# Altium PCB sugar65V2_ARGB_QMK(1).PcbDoc (part 7 of 8) (continued)
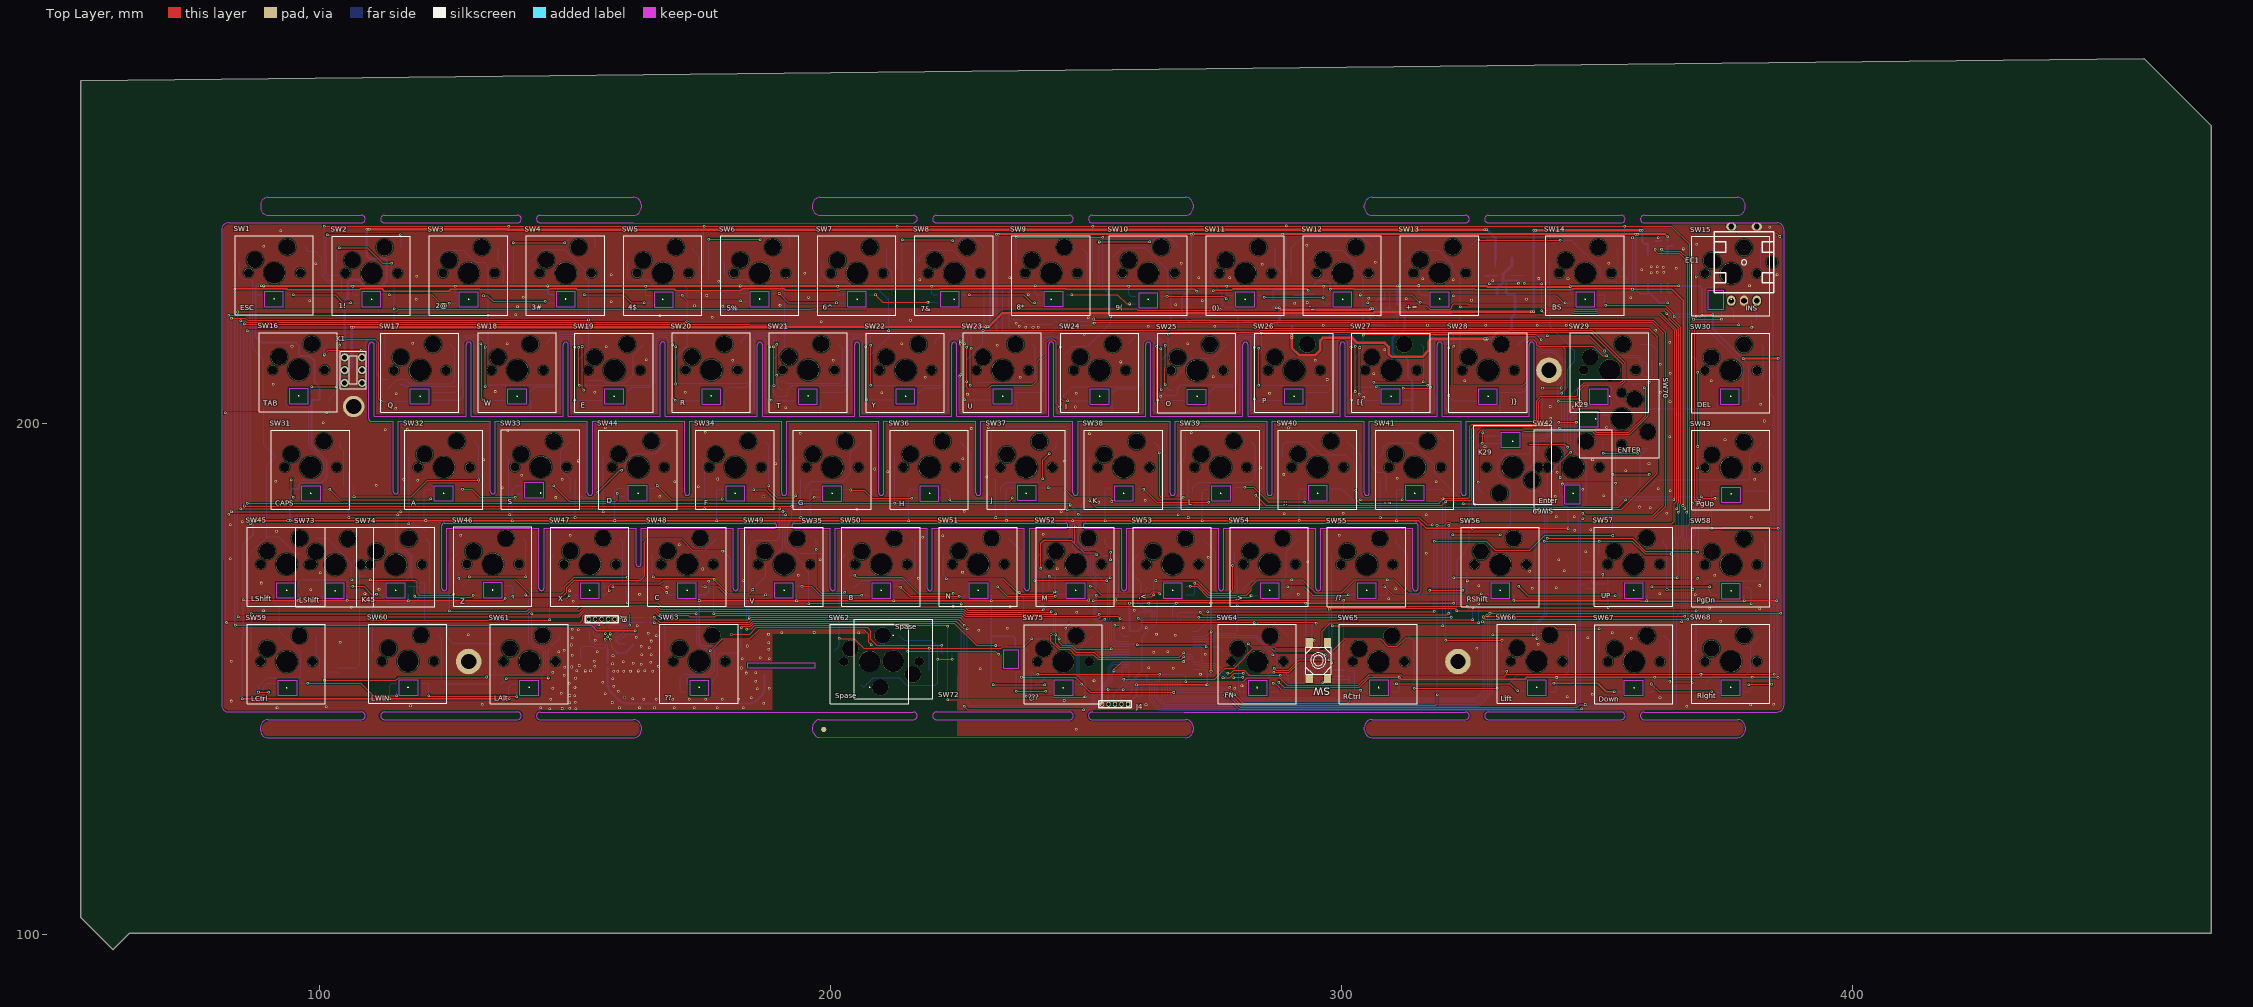
[diagram p0: Top Layer view]
## Nets (pads, with @x,y where several pads share a name; then routed paths per layer and width w, separated by ;. In a path a pad name is that pad's centre, name@x,y a point inside that pad or via, vN(x,y) a via of type N, cw(c..) or ccw(c..) an arc to the next point about the centre after c; other vN are vias at no path point) (continued)
  Bottom Layer w0.2: LED28.1@179.27,206.08 180.23,207.04 183.64,207.04 184.65,208.05 184.65,216.5 185.32,217.17 187.634,217.17 188.15,216.654 v1(188.15,215.01) ; v1@188.52,204.48 LED27.3@193.25,204.48
NetLED28_3: LED28.3 LED29.1 | length 35.9
  Top Layer w0.2: v1(169.239,215.44) 169.239,205.011 v1(169.71,204.54)
  Bottom Layer w0.2: LED29.1@160.23,206.1 161.236,207.106 164.736,207.106 165.56,207.93 165.56,216.664 166.216,217.32 168.348,217.32 169.239,216.429 v1(169.239,215.44) ; v1(169.71,204.54) 169.77,204.48 LED28.3@174.37,204.48
NetLED29_3: LED29.3 LED30.1 | length 35.9
  Top Layer w0.2: v1(150.01,204.55) v1(150.01,214.92)
  Bottom Layer w0.2: LED30.1@141.25,206.13 142.31,207.19 146.016,207.19 146.71,207.884 146.71,216.504 147.306,217.1 149.41,217.1 150.01,216.5 v1(150.01,214.92) v1@150,214.92 ; v1(150.01,204.55) 155.28,204.55 LED29.3@155.33,204.5
NetLED31_1: LED31.1 LED44.3 LED69.3 | length 49.5
  Top Layer w0.2: v1@343.31,188.146 343.574,188.41 347.572,188.41 ; 347.612,188.37 v1@353.61,188.37 ; v1(370.479,185.66) 370.739,185.4 v1(373.14,185.4)
  Bottom Layer w0.2: v1@343.3,188.136 343.574,188.41 344.28,188.41 LED44.3@344.44,188.57 ; LED69.3@350.94,201.7 352.06,201.7 352.51,201.25 352.51,199.8 353.73,198.58 353.73,196.367 ; 353.71,195.333 353.71,196.347 ; 353.73,195.313 353.73,186.1 354.17,185.66 v1(370.479,185.66) ; v1(373.14,185.4) 373.28,185.26 LED31.1@373.85,185.26
  other v1: 343.28,188.15 353.72,188.26
NetLED32_3: LED32.3 LED33.1 | length 21.8
  Top Layer w0.2: v1(102.11,187.15) 104.16,185.1 121.71,185.1 v1@121.87,185.26
  Bottom Layer w0.2: LED32.3@100.94,187.15 v1(102.11,187.15)
  other v1: 121.83,185.3
NetLED33_3: LED33.3 LED34.1 | length 13.7
  Top Layer w0.22: v1(128.07,187.15) 129.87,187.15 131.48,185.54 138.35,185.54 v1(138.4,185.59)
  Bottom Layer w0.22: LED33.3@126.86,187.15 v1(128.07,187.15) ; v1(138.4,185.59) 139.01,186.2 LED34.1@139.65,186.2
NetLED34_3: LED34.3 LED35.1 | length 18.1
  Top Layer w0.22: v1(145.9,187.8) 148.92,184.78 158.09,184.78 158.39,185.08 v1(158.39,186.32)
  Bottom Layer w0.22: LED34.3@144.55,187.8 v1(145.9,187.8) ; v1(158.39,186.32) 158.96,185.75 LED35.1@159.84,185.75
NetLED35_3: LED35.3 LED36.1 | length 16
  Top Layer w0.2: v1(166.15,187.86) 168.94,185.07 178.73,185.07 v1(178.88,185.22)
  Bottom Layer w0.2: LED35.3@164.74,187.35 165.64,187.35 v1(166.15,187.86) ; v1(178.88,185.22) 178.88,185.37 LED36.1@179.05,185.54
NetLED36_3: LED36.3 LED37.1 | length 15.2
  Top Layer w0.2: v1(185.06,186.99) 187.35,186.99 189.45,184.89 196.024,184.89 196.654,185.52 v1(196.87,185.52)
  Bottom Layer w0.2: LED36.3@183.95,187.14 184.1,186.99 v1(185.06,186.99)
  Bottom Layer w0.3: v1(196.87,185.52) LED37.1@197.96,185.52
NetLED37_3: LED37.3 LED38.1 | length 15.1
  Top Layer w0.2: v1(204.05,186.98) 206.65,186.98 208.28,185.35 215.97,185.35 v1(215.98,185.36)
  Bottom Layer w0.2: LED37.3@202.86,187.12 203.91,187.12 v1(204.05,186.98) ; v1(215.98,185.36) 216.14,185.52 LED38.1@217,185.52 LED38.1@217.08,185.44
NetLED38_3: LED38.3 LED39.1 | length 16.2
  Top Layer w0.2: v1(223.38,185.04) 223.62,184.8 235.14,184.8 235.65,185.31 v1(235.65,185.49)
  Bottom Layer w0.2: LED38.3@221.9,187.12 222.76,187.12 223.4,186.48 223.4,185.06 v1(223.38,185.04) ; v1(235.65,185.49) LED39.1@235.91,185.49
NetLED39_3: LED39.3 LED40.1 | length 16.2
  Top Layer w0.2: v1(242.66,187.39) 245.686,187.39 247.13,185.946 247.626,185.45 254.71,185.45 255.28,184.88 v1(255.13,184.73)
  Bottom Layer w0.2: LED39.3@241.26,187.39 v1(242.66,187.39) ; LED40.1@255.06,185.58 255.13,185.51 v1(255.13,184.73)
NetLED40_3: LED40.3 LED41.1 | length 16.1
  Top Layer w0.2: v1(261.35,187.16) 263.94,184.57 v1(274.05,184.57)
  Bottom Layer w0.2: LED40.3@259.96,187.18 261.33,187.18 v1(261.35,187.16) ; v1(274.05,184.57) 274.05,185.53 LED41.1@274.06,185.54
NetLED41_3: LED41.3 LED42.1 | length 16.2
  Top Layer w0.2: v1(281.15,187.48) 282.89,187.48 285.7,184.67 v1@292.84,184.67
  Bottom Layer w0.2: LED41.3@278.96,187.14 279.3,187.48 v1(281.15,187.48) ; v1(292.9,184.61) 292.9,185.5 LED42.1@293.02,185.62
NetLED42_3: LED42.3 LED43.1 | length 15.5
  Top Layer w0.2: v1(303.76,185.06) v1(311.92,185.06)
  Bottom Layer w0.2: LED42.3@297.92,187.22 300.12,187.22 302.18,185.16 302.28,185.06 v1(303.76,185.06) v1@303.66,185.16 ; v1(311.92,185.06) 312,185.14 LED43.1@312,185.53
NetLED45_1: LED45.1 LED76.3 | length 15.4
  Top Layer w0.2: v1(360.76,168.06) 372.14,168.06 v1(372.15,168.07)
  Bottom Layer w0.2: LED45.1@359.75,168.09 360.73,168.09 v1(360.76,168.06) ; v1(372.15,168.07) 372.15,166.97 372.65,166.47 373.77,166.47 LED76.3@373.84,166.4
NetLED45_3: LED45.3 LED46.1 | length 22
  Top Layer w0.2: v1(334.76,168.12) 336.57,166.31 v1(353.64,166.31)
  Bottom Layer w0.2: LED46.1@333.65,168.12 v1(334.76,168.12) ; v1(353.64,166.31) 353.82,166.49 LED45.3@354.85,166.49
NetLED46_3: LED46.3 LED47.1 | length 22
  Top Layer w0.2: v1(308.499,168.09) 308.51,168.09 310.28,166.32 327.12,166.32 v1(327.45,166.65)
  Bottom Layer w0.2: LED47.1@307.53,168.09 v1(308.499,168.09) ; v1@327.58,166.52 LED46.3@328.75,166.52
NetLED47_3: LED47.3 LED48.1 | length 14.8
  Top Layer w0.2: v1(289.56,168.09) 292.77,168.09 294.43,166.43 301.34,166.43 v1(301.38,166.47)
  Bottom Layer w0.2: LED48.1@288.54,168.09 v1(289.56,168.09) ; v1(301.38,166.47) 302.61,166.47 LED47.3@302.63,166.49
NetLED48_3: LED48.3 LED49.1 | length 15.2
  Top Layer w0.2: v1(270.5,168.15) 271.79,168.15 273.92,166.02 282.12,166.02 v1(282.36,166.26)
  Bottom Layer w0.2: LED49.1@269.55,168.12 270.47,168.12 v1(270.5,168.15) ; v1(282.36,166.26) 283.41,166.26 LED48.3@283.64,166.49
NetLED49_3: LED49.3 LED50.1 | length 15.3
  Top Layer w0.2: v1(250.88,168.12) 251.41,168.12 253.05,166.48 262.539,166.48 263.109,167.05 264.12,167.05 v1(264.47,166.7)
  Bottom Layer w0.2: LED50.1@250.53,168.12 v1(250.88,168.12) ; v1(264.47,166.7) LED49.3@264.65,166.52
NetLED50_3: LED50.3 LED51.1 | length 15
  Top Layer w0.2: v1(232.8,168.05) 234.66,166.19 v1(244.08,166.19)
  Bottom Layer w0.2: LED51.1@231.54,168.12 232.73,168.12 v1(232.8,168.05) ; v1(244.08,166.19) 244.41,166.52 LED50.3@245.63,166.52
NetLED51_3: LED51.3 LED52.1 | length 15.1
  Top Layer w0.2: v1(213.85,167.97) 215.64,166.18 v1(225.31,166.18)
  Bottom Layer w0.2: LED52.1@212.49,168.12 213.7,168.12 v1(213.85,167.97) ; v1(225.31,166.18) 226.3,166.18 LED51.3@226.64,166.52
NetLED52_3: LED52.3 LED53.1 | length 14.9
  Top Layer w0.2: v1(194.5,168.15) 196.34,168.15 198.11,166.38 v1(206.2,166.38)
  Bottom Layer w0.2: LED53.1@193.44,168.15 v1(194.5,168.15) ; v1(206.2,166.38) 206.34,166.52 LED52.3@207.59,166.52
NetLED53_3: LED53.3 LED54.1 | length 15
  Top Layer w0.2: v1(175.52,168.08) 178.09,168.08 179.75,166.42 179.91,166.26 187.17,166.26 187.33,166.42 v1(187.36,166.45)
  Bottom Layer w0.2: LED54.1@174.45,168.12 175.48,168.12 v1(175.52,168.08) ; v1(187.36,166.45) 188.44,166.45 LED53.3@188.54,166.55
NetLED54_3: LED54.3 LED55.1 | length 14.7
  Top Layer w0.2: v1(157.43,168.06) 166.87,168.06 v1(168.01,166.92)
  Bottom Layer w0.2: LED55.1@155.47,168.09 157.4,168.09 v1(157.43,168.06) ; v1(168.01,166.92) 168.41,166.52 LED54.3@169.55,166.52
NetLED55_3: LED55.3 LED56.1 | length 16.9
  Top Layer w0.2: v1@137.97,166.1 v1(137.88,166.19) 137.88,165.96 138.12,165.72 148.44,165.72 v1(149,166.28) v1@148.92,166.36
  Bottom Layer w0.2: LED56.1@136.48,168.21 137.63,168.21 137.88,167.96 v1(137.88,166.19) ; v1(149,166.28) 150.36,166.28 LED55.3@150.57,166.49
NetLED56_3: LED56.3 LED71.1 R121.1 | length 17.8
  Top Layer w0.2: v1(118.75,166.18) 118.95,165.98 129.83,165.98 130.17,166.32 v1(130.17,166.41) v1@130.09,166.49
  Bottom Layer w0.2: LED71.1@117.46,168.14 118.4,168.14 ; v1(118.75,166.18) 118.68,166.25 118.68,167.86 118.4,168.14 ; R121.1@119.66,167.68 119.2,168.14 118.4,168.14 ; v1(130.17,166.41) 131.38,166.41 LED56.3@131.58,166.61
NetLED57_1: LED57.1 LED70.1 LED71.3 R121.2 | length 28.8
  Top Layer w0.2: v1(106.58,168.11) 108.71,168.11 110.26,166.56 v1(111.25,166.56)
  Bottom Layer w0.2: LED70.1@96,168.15 96,168.91 96.51,169.42 105.25,169.42 105.56,169.11 LED57.1@105.56,168.11 v1(106.58,168.11) ; v1(111.25,166.56) 112.54,166.56 LED71.3@112.56,166.54 112.56,165.83 113.59,164.8 118.55,164.8 119.66,165.91 R121.2@119.66,166.715
NetLED58_1: LED58.1 LED72.3 R123.1 | length 10.8
  Top Layer w0.2: v1@236.39,147.57 v1(242.2,147.57)
  Bottom Layer w0.2: LED72.3@236.24,151.47 236.42,151.29 236.39,151.26 v1(236.39,147.6) ; v1@242.21,147.56 LED58.1@243.27,147.56
NetLED59_1: LED59.1 LED60.3 | length 19.6
  Top Layer w0.2: v1(286.67,149.15) 287.04,149.15 287.835,148.355 288.27,147.92 303.73,147.92 v1(303.86,147.79) v1@303.86,147.88
  Bottom Layer w0.2: LED59.1@286.19,149.09 286.61,149.09 v1(286.67,149.15) ; v1(303.86,147.79) 304.14,147.51 LED60.3@305.01,147.51
NetLED60_1: LED60.1 LED61.3 | length 26.6
  Top Layer w0.2: v1(310.829,149.11) 333,149.11 334.42,147.69 v1(334.52,147.69)
  Bottom Layer w0.2: LED60.1@309.91,149.11 v1(310.829,149.11) ; v1(334.52,147.69) 335.69,147.69 LED61.3@335.87,147.51
NetLED61_1: LED61.1 LED62.3 | length 14.8
  Top Layer w0.25: v1(341.619,149.14) 350.23,149.14 351.83,147.54 v1(353.46,147.54)
  Bottom Layer w0.25: LED61.1@340.77,149.11 341.65,149.11 v1(341.619,149.14) ; v1(353.46,147.54) 354.73,147.54 LED62.3@354.8,147.47
NetLED62_1: LED62.1 LED63.3 | length 14.8
  Top Layer w0.2: v1(360.7,149.02) 362.23,147.49 v1(372.54,147.49)
  Bottom Layer w0.2: LED62.1@359.7,149.07 360.65,149.07 v1(360.7,149.02) ; v1(372.54,147.49) 373.77,147.49 LED63.3@373.79,147.51
NetLED64_3: LED64.3 LED65.1 | length 20.7
  Top Layer w0.2: v1(97.82,149.18) 108.2,149.18 110.64,146.74 115.16,146.74 v1(115.18,146.76)
  Bottom Layer w0.2: LED64.3@96.32,149.12 97.76,149.12 v1(97.82,149.18) ; LED65.1@115.12,147.55 115.18,147.49 v1(115.18,146.76)
NetLED65_3: LED65.3 LED66.1 | length 21.9
  Top Layer w0.18: v1(121.5,146.76) 121.609,146.65 138.51,146.65 v1(138.66,146.5) ; v1@138.74,146.58 v1@138.81,146.51
  Bottom Layer w0.18: LED65.3@120.02,149.15 121.23,149.15 121.48,148.9 v1@121.48,146.76
  Bottom Layer w0.2: v1@138.69,146.63 LED66.1@138.69,147.5
NetLED66_3: LED66.3 LED73.1 R122.1 | length 133.3
  Top Layer w0.2: v1@141.672,162.608 150.796,162.608 151.749,163.56 165.75,163.56 166.431,162.879 v1@173.65,162.879 ; v1@176.647,155.55 178.83,157.733 178.83,157.86 ; 178.87,157.9 184.31,157.9 186.09,159.68 202.22,159.68 ; 202.46,159.68 202.22,159.68 ; v1(208.03,156.7) 208.03,156.704 207.56,157.174 207.56,158.75 206.63,159.68 202.22,159.68 ; v1(215.23,155.4) 232.33,155.4 232.89,154.84 v1(233,154.84)
  Bottom Layer w0.2: v1@141.61,162.64 141.61,157.184 142.224,156.57 143.202,156.57 144.36,155.412 144.36,151.354 143.59,150.584 LED66.3@143.59,149.1 LED66.3@143.62,149.1 ; LED73.1@171.78,147.52 171.01,147.52 170.72,147.81 170.72,150.15 171.49,150.92 175.95,150.92 176.89,151.86 176.89,155.18 v1(176.52,155.55) 176.01,156.06 174.88,156.06 173.94,157 v1@173.94,162.6 ; v1(208.03,156.7) 208.54,156.19 214.44,156.19 v1(215.23,155.4) ; v1(233,154.84) 233.03,154.87 R122.1@233.03,155.59
  other v1: 173.79,162.74 141.64,162.76
NetLED72_1: LED72.1 LED73.3 R122.2 | length 69.6
  Top Layer w0.2: v1(182.6,160) 182.88,160.28 184.497,160.28 185.107,160.89 224.33,160.89 228.66,156.56 v1(232.43,156.56)
  Bottom Layer w0.18: LED73.3@176.9,149.12 LED73.3@177.02,149.12
  Bottom Layer w0.2: LED73.3@177.02,149.13 177.02,149.79 178.05,150.82 178.05,154.79 178.37,155.11 181.88,155.11 182.6,155.83 v1(182.6,160) ; v1(232.43,156.56) 232.434,156.555 R122.2@233.03,156.555 234.455,156.555 LED72.1@234.64,156.37
NetQ1_1: Q1.1 R4.2 R6.1 | length 5
  Bottom Layer w0.2: Q1.1@349.019,169.705 Q1.1@349.078,169.646 349.078,168.992 349.41,168.66 352.275,168.66 352.28,168.665 R6.1@352.28,169.62
NetQ1_3: Q1.3 R7.1 | length 2.5
  Bottom Layer w0.2: R7.1@347.74,167.72 349.14,167.72 349.681,167.179 Q1.3@350.014,167.179
NetQ2_1: Q2.1 R26.2 R28.1 | length 2.5
  Bottom Layer w0.2: R26.2@290.435,222.38 290.435,221.082 290.564,221.21 R28.1@291.57,221.21
NetQ3_1: Q3.1 R30.2 R31.1 | length 2.6
  Bottom Layer w0.35: R30.2@306.03,219.255 308.297,219.255 Q3.1@308.544,219.008
NetQ3_3: Q3.3 Q4.1 R88.1 | length 7.5
  Bottom Layer w0.2: Q4.1@308.564,222.498 309.682,222.498 ; R88.1@309.53,225.71 309.53,222.65 309.682,222.498 ; Q3.3@311.011,219.944 311.011,221.169 309.682,222.498
NetR13_1: R13.1 U2.1 | length 2.1
  Bottom Layer w0.3: U2.1@298.56,151.83 300.29,151.83 R13.1@300.52,151.6
NetR15_1: R15.1 U2.2 | length 1.9
  Bottom Layer w0.3: U2.2@298.56,150.56 300.48,150.56 R15.1@300.5,150.58
NetR16_1: R16.1 U2.6 | length 1.7
  Bottom Layer w0.2: R16.1@291.12,149.28 292.81,149.28 U2.6@292.82,149.29
NetR17_1: R17.1 U2.5 | length 1.7
  Bottom Layer w0.2: R17.1@291.09,147.99 292.79,147.99 U2.5@292.82,148.02
NetR27_1: R27.1 U4.2 | length 1.7
  Bottom Layer w0.35: U4.2@362.588,227.35 362.588,225.662 R27.1@362.61,225.64
NetR33_2: R33.2 R37.1 U5.3 | length 2.5
  Bottom Layer w0.35: R37.1@327.98,228.89 328.975,228.89 329,228.915 330.435,228.915 U5.3@330.45,228.93
NetR34_2: R34.2 R35.2 U5.4 | length 2.6
  Bottom Layer w0.2: U5.4@333.25,228.93 333.315,228.995 R35.2@335.79,228.995
NetR41_2: 
NetR42_2: 
NetR125_2: R125.2 R126.2 SW73.2 SW74.1 | length 28.3
  Bottom Layer w0.2: R126.2@103.63,152.225 107.365,152.225 107.995,152.855 107.995,170.235 ; 108.06,170.3 107.995,170.235 ; SW74.1@108.21,174.48 107.02,173.29 107.02,171.873 107.995,170.898 107.995,170.235 ; R125.2@109.02,170.195 108.98,170.235 107.995,170.235
NRST: C5.1 J4.4 R8.1 U1.7 | length 26.3
  Top Layer w0.2: v1(254.381,147.95) 254.35,147.92 v1(257.359,147.92)
  Bottom Layer w0.2: v1(254.381,147.95) 254.381,145.139 J4.4@254.47,145.05 ; v1(257.359,147.92) 257.359,148.049 258.723,149.413 ; 258.75,149.386 259.49,150.125 259.49,150.18 261.06,151.75 261.06,158.24 263.441,160.621 263.781,160.621 263.957,160.797 263.957,161.737 U1.7@264.03,161.81 264.03,164.25 C5.1@264.02,164.26
  Bottom Layer w0.3: C5.1@263.99,164.23 264.02,164.26 R8.1@264.02,165.24
NTC: R21.1 R25.1 U4.1 | length 2.4
  Bottom Layer w0.35: U4.1@363.858,227.375 363.858,225.868 364.085,225.64 R25.1@364.62,225.64
OSC_IN: R82.1 U1.5 | length 5.4
  Bottom Layer w0.2: R82.1@260.27,165.38 260.27,164.947 260.8,164.417 260.8,164.094 261.734,163.16 262.84,163.16 263.03,162.97 U1.5@263.03,161.81
OSC_OUT: C15.2 U1.6 Y1.3 | length 8.3
  Bottom Layer w0.2: Y1.3@262.009,167.991 262.009,167.799 261.81,167.6 C15.2@261.81,166.45 261.59,166.45 261.2,166.06 261.2,164.26 261.9,163.56 263.129,163.56 263.53,163.159 U1.6@263.53,161.81
PC6: J9.3 U6.11 | length 2.1
  Bottom Layer w0.18: J9.3@155.3,161.7 155.68,161.32 U6.11@155.68,159.8
PC7: J9.4 U6.10 | length 3.9
  Top Layer w0.18: v1(154.77,160.59) 155.55,160.59 156.57,161.61 J9.4@156.57,161.7
  Bottom Layer w0.18: v1(154.77,160.59) 154.84,160.59 154.98,160.45 U6.10@154.98,159.1
PC13: R4.1 U1.2 | length 100.8
  Top Layer w0.2: v1(260.31,161.9) 260.641,161.569 v1(325.739,161.569) ; v1(325.739,163.95) 325.739,163.911 352.279,163.911 v1(352.279,163.96)
  Bottom Layer w0.2: v1(260.31,161.9) 260.31,162.84 260.62,163.15 261.179,163.15 261.52,162.809 261.52,162.71 ; v1(325.739,161.569) v1(325.739,163.95) ; v1(352.279,163.96) R4.1@352.28,167.69
PVCC1: C20.1 C22.1 D32.1 L1.1 Q2.3 R19.2 | length 30.6
  Top Layer w0.45: v1(287.84,222.61) 288.185,222.265 305.635,222.265 305.85,222.48 306.18,222.48 v1@306.2,222.46
  Bottom Layer w0.45: D32.1@281.059,220.063 282.317,220.063 283.01,219.37 C22.1@284.11,219.37 284.4,219.66 C20.1@285.75,219.66 287.483,219.66 Q2.3@287.899,220.076 ; R19.2@286.71,222.66 v1@287.79,222.66 ; v1@305.85,222.48 305.88,222.45 L1.1@306.87,222.45
  Bottom Layer w0.6: v1@287.75,222.52 287.899,222.371 Q2.3@287.899,220.076
  other v1: 305.75,222.45 306.21,222.45 287.32,222.61
R1: D1.3 D2.3 D3.3 D4.3 D5.3 D6.3 D7.3 U1.15 | length 504.4
  Top Layer w0.2: v1@101.014,238.596 v1(137.146,238.596) v1@213.126,238.596 ; v1(213.16,238.63) v1(251.42,238.63) v1@355.5,238.63 ; v1(272.43,163.04) 272.939,162.531 320.71,162.531 v1(321.019,162.84) ; v1@321.04,180.02 325.858,180.02 367.87,180.02 368.17,180.32 368.17,184.52 ; v1@321.039,180.021 v1(321.039,180.08) ; v1(355.5,238.61) 364.59,238.61 368.17,235.03 368.17,184.52 ; 368.17,184.29 368.17,184.52
  Bottom Layer w0.2: v1(100.98,238.63) 100.98,229.09 102.066,228.004 D1.3@103.476,228.004 ; D2.3@137.146,230.113 v1(137.146,238.596) ; D3.3@175.326,230.824 v1@175.326,238.576 ; D4.3@213.166,230.123 v1@213.166,238.624 ; D5.3@251.406,229.634 v1@251.406,238.546 ; U1.15@268.03,161.81 268.03,162.76 268.31,163.04 v1(272.43,163.04) ; D6.3@289.296,231.804 v1(289.296,238.686) ; v1@321.014,162.845 321.014,180.055 v1(321.039,180.08) ; D7.3@354.996,229.914 354.996,230.32 355.526,230.85 v1@355.526,238.584
  other v1: 175.34,238.59
R2: D9.3 D10.3 D11.3 D12.3 D13.3 D14.3 D15.3 U1.16 | length 609.5
  Top Layer w0.2: v1(132.54,207.17) v1(132.54,214.96) ; v1@150.81,207.58 v1(150.81,214.89) ; v1(169.82,207.72) v1(169.82,215) ; v1@188.93,207.42 v1(188.93,215.02) ; v1@207.94,207.44 v1(207.94,215.3) ; v1@226.71,208.27 226.76,208.32 v1(226.76,214.87) ; v1(226.76,208.19) 226.76,207.05 227.01,206.8 230.92,206.8 231.64,207.52 239.65,207.52 240.53,208.4 240.53,212.03 241.16,212.66 241.68,212.66 242.306,213.286 242.306,215.845 242.874,216.413 243.787,216.413 244.27,215.93 244.27,203.83 v1(244.95,203.15) ; v1(264.81,206.57) v1@264.81,214.53 ; v1@272.171,162.071 v1@321.569,162.071 ; v1@283.87,207.48 v1(283.87,214.75) ; v1(302.79,206.25) v1(302.79,215.12) ; v1(306.88,207.206) 307.144,207.47 v1(316.91,207.47) ; 321.75,207.41 321.75,214.84 v1(321.99,215.08) ; 321.78,207.38 335.5,207.38 336.325,208.205 336.325,215.27 ; v1@321.81,178.23 v1(331.14,178.23) ; 336.308,215.287 336.308,215.818 336.874,216.383 337.676,216.383 338.242,215.818 338.242,215.428 338.58,215.09 343.259,215.09 ; v1@343.18,206.07 343.8,206.69 343.8,214.549 343.259,215.09 ; v1(351.99,213.22) 351.177,213.22 349.307,215.09 343.259,215.09
  Bottom Layer w0.2: D9.3@115.893,207.674 116.436,207.674 116.85,207.26 126.85,207.26 127.39,207.8 127.39,216.446 128.304,217.36 130.96,217.36 132.54,215.78 v1(132.54,214.96) ; v1(132.54,207.17) 132.96,207.59 145.85,207.59 146.31,208.05 146.31,216.67 147.14,217.5 149.984,217.5 150.81,216.674 v1(150.81,214.89) ; v1(150.884,207.506) 164.57,207.506 165.16,208.096 165.16,216.83 166.05,217.72 169.02,217.72 169.82,216.92 v1(169.82,215) ; v1(169.82,207.72) 169.96,207.86 183.75,207.86 184.25,208.36 184.25,216.8 185.02,217.57 187.799,217.57 188.93,216.44 v1(188.93,215.02) ; D11.3@188.046,207.346 D11.3@188.08,207.38 ; D11.3@188.176,207.38 v1(189.02,207.38) 189.02,206.01 189.67,205.36 191.53,205.36 191.76,205.59 191.76,206.55 192.65,207.44 202.77,207.44 203.26,207.93 203.26,217.03 203.79,217.56 207.28,217.56 207.94,216.9 v1(207.94,215.3) ; v1(207.98,207.44) 221.54,207.44 222.23,208.13 222.23,216.5 223.12,217.39 226.449,217.39 226.93,216.909 v1@226.93,215.04 ; D12.3@226.186,207.086 226.76,207.659 226.76,208.06 226.63,208.19 v1@226.71,208.27 ; v1(244.95,203.15) 244.95,204.71 247.45,207.21 259.93,207.21 260.29,207.57 260.29,216.476 261.184,217.37 263.156,217.37 264.7,215.826 v1(264.7,214.64) ; D13.3@264.536,207.436 264.81,207.162 v1(264.81,206.57) 264.81,206.25 265.53,205.53 267.6,205.53 268.06,205.99 268.06,206.89 268.73,207.56 278.64,207.56 279.3,208.22 279.3,216.35 280.459,217.51 282.72,217.51 283.74,216.49 v1@283.74,214.88 ; U1.16@268.53,161.81 268.84,162.12 v1(272.159,162.12) ; v1(283.91,207.44) 297.69,207.44 298.21,207.96 298.21,216.86 298.76,217.41 301.21,217.41 302.74,215.88 v1@302.74,215.12 ; v1(302.79,206.25) 302.79,206.949 D14.3@303.047,207.206 v1(306.88,207.206) ; v1(316.91,207.47) 317.249,207.809 317.249,217.079 317.84,217.67 321.54,217.67 321.99,217.22 v1(321.99,215.08) ; 321.499,164.602 321.499,177.919 v1(321.79,178.21) ; v1(321.569,162.12) 321.569,164.532 ; v1@331.14,178.32 333.21,180.39 333.21,187.4 330.7,189.91 330.7,192.44 332.29,194.03 336.81,194.03 337.01,194.23 337.01,195.344 337.186,195.52 338.09,195.52 338.21,195.64 338.21,196.566 338.764,197.12 339.656,197.12 342.187,199.652 342.962,199.652 343.18,199.87 v1(343.18,205.9) ; v1(351.99,213.22) 352.29,212.92 357.72,212.92 358.93,211.71 358.93,209.454 359.194,209.19 360.66,209.19 360.896,209.426 D15.3@360.896,212.363
R3: D16.3 D17.3 D18.3 D19.3 D20.3 D21.3 D22.3 U1.17 | length 383.3
  Top Layer w0.22: v1(273.86,163.12) 273.88,163.14 318.11,163.14 v1(318.209,163.239) ; v1@307.66,181.6 v1(232.41,181.6) v1(194.29,181.6) v1(150.09,181.6) v1@105.849,181.6 ; v1(307.689,181.6) 315.32,181.6 316.765,180.155 v1(317.805,180.155) ; v1(318.19,176.94) 328.35,176.94 330.12,175.17 336.93,175.17 339.85,178.09 352.12,178.09 352.13,178.08 v1(353.139,178.08) ; v1(353.179,190.02) 353.199,190 360.22,190 v1(360.3,190.08) ; v1@105.849,181.6 v1(105.84,181.6) 105.84,181.59 v1@105.849,181.6
  Bottom Layer w0.22: D16.3@105.826,190.274 105.826,181.594 105.835,181.594 v1(105.84,181.6) ; v1@150.096,181.604 D17.3@150.096,189.104 ; v1@194.286,181.604 D18.3@194.286,189.174 ; v1@232.406,181.604 D19.3@232.406,189.114 ; v1@270.036,181.604 D20.3@270.036,188.944 ; U1.17@270.98,159.36 272.06,159.36 273.86,161.16 v1(273.86,163.12) ; D21.3@307.64,189.168 D21.3@307.686,189.214 v1@307.686,181.603 ; v1(317.805,180.155) 317.805,179.614 318.209,179.21 318.209,164.43 ; v1(318.209,163.239) 318.209,164.43 ; 318.209,164.051 318.209,164.43 ; v1(353.139,178.08) 353.159,178.079 353.159,188.491 353.25,188.582 353.25,190.02 v1(353.179,190.02) ; D22.3@359.415,190.033 359.462,190.08 v1(360.3,190.08)
  other v1: 270.039,181.6
R4: D23.3 D24.3 D25.3 D26.3 D27.3 D28.3 D29.3 U1.20 | length 312
  Top Layer w0.2: v1(127.31,169.7) 127.58,169.43 138.47,169.43 141.22,166.68 147.53,166.68 148.03,167.18 148.03,168.04 149.94,169.95 v1(160.356,169.95) ; v1(160.35,164.92) 166.239,164.92 167.069,164.09 226.357,164.09 227.017,163.43 v1@241.619,163.43 ; v1(204.816,170.283) 205.19,169.91 214.11,169.91 217.34,166.68 v1@223.97,166.68 ; v1(324.649,169.18) 324.74,169.27 333.216,169.27 333.246,169.24 369.25,169.24 v1(369.76,169.75)
  Top Layer w0.22: v1(241.69,163.59) 242.36,164.26 v1@324.661,164.26
  Bottom Layer w0.2: v1@127.296,169.714 D23.3@127.296,170.874 ; v1(160.35,164.92) 160.35,167.434 ; 160.356,167.44 v1(160.356,169.95) D24.3@160.356,171.154 ; D25.3@203.836,170.283 v1(204.816,170.283) ; v1@224.06,164.25 v1(224.06,166.77) ; v1@241.686,163.59 D26.3@241.686,169.924 ; U1.20@270.98,157.86 274.304,157.86 275.434,158.99 279.37,158.99 279.691,159.311 v1(279.691,164.3) ; v1@279.696,164.304 D27.3@279.696,169.874 ; D28.3@324.616,170.884 324.666,170.834 324.666,170.65 D28.3@324.649,170.634 ; v1(324.649,169.18) D28.3@324.649,170.493 ; v1(324.666,164.256) v1@324.666,169.18 ; D29.3@369.736,170.814 369.76,170.789 v1(369.76,169.75)
  other v1: 224.06,164.25
R5: D8.3 D30.3 D31.3 D33.3 D34.3 D39.3 D41.3 U1.41 | length 416.5
  Top Layer w0.2: v1(101.066,149.754) 115.028,149.754 115.554,150.28 v1@132.68,150.28 ; v1@140.6,166.28 147.74,166.28 148.47,167.01 148.47,167.87 149.95,169.35 162.92,169.35 163.73,170.16 163.73,176.84 164.3,177.41 170.85,177.41 173.17,175.09 v1@178.96,175.09 ; v1(183.65,159.73) 183.75,159.83 184.613,159.83 185.273,160.49 222.829,160.49 v1(222.98,160.34) ; v1@222.99,145.96 v1(239.33,145.96) ; v1(240.67,150.92) v1(264.53,150.92) ; v1@269.589,149.44 280.819,149.44 281.62,150.24 285.756,150.24 285.787,150.21 288.009,150.21 289.479,148.74 303.348,148.74 305.488,150.88 311.66,150.88 312.11,150.43 331.874,150.43 332.343,150.899 384.698,150.899 v1(384.709,150.91) ; 332.407,150.962 v1(332.407,151.533)
  Bottom Layer w0.2: v1(101.066,149.754) D33.3@101.066,153.843 ; v1(132.79,150.39) 133.26,150.86 134.516,150.86 ; D39.3@134.516,151.663 134.516,150.86 ; v1@140.55,166.44 141.06,165.93 141.06,157.169 142.058,156.17 143.036,156.17 143.96,155.246 143.96,151.52 143.3,150.86 134.516,150.86 ; v1(179.04,175.01) 180.556,173.494 180.556,166.8 181.086,166.27 182.86,166.27 183.65,165.48 v1(183.65,159.73) ; v1@222.976,145.974 D34.3@222.976,157.434 222.976,160.496 222.98,160.492 v1(222.98,160.34) ; D30.3@239.316,151.513 D30.3@239.33,151.499 ; v1@239.33,145.96 D30.3@239.33,151.499 ; v1(240.67,150.92) 239.909,150.92 D30.3@239.33,151.499 ; U1.41@264.53,149.41 v1(264.53,150.92) ; v1@264.57,150.96 269.03,150.96 269.589,150.401 v1(269.589,149.45) ; D31.3@331.476,151.533 v1(332.407,151.533) ; v1(370.4,150.96) 370.4,151.708 D41.3@370.406,151.713 ; D8.3@383.554,206.076 384.709,204.922 v1(384.709,150.91)
  other v1: 222.98,145.97 140.44,166.44
RF: C32.1 R38.1 U6.3 | length 3.6
  Bottom Layer w0.18: C32.1@156.46,154.36 C32.1@156.48,154.38
  Bottom Layer w0.2: 156.48,155.84 U6.3@156.48,156.8
  Bottom Layer w0.254: C32.1@156.45,154.37 C32.1@156.46,154.36
  Bottom Layer w0.4: C32.1@156.46,154.332 cw(c156.528,154.332) 156.48,154.38 ccw(c156.528,154.332) C32.1@156.46,154.332
  Bottom Layer w0.45: R38.1@156.46,153.14 C32.1@156.46,154.18 ; C32.1@156.48,154.38 156.48,155.84
S0: SW1.1 SW16.1 SW31.1 SW45.1 SW59.1 SW73.1 U1.26 | length 281.8
  Top Layer w0.2: v1(86.74,162.81) 140.87,162.81 141.43,163.37 150.993,163.37 151.583,163.96 165.916,163.96 166.586,163.29 184.912,163.29 226.026,163.29 226.686,162.63 244.21,162.63 244.18,162.66 v1(244.18,162.79) ; v1@244.16,158.58 244.16,156.996 244.976,156.18 247.086,156.18 248.076,155.19 251.7,155.19 252.67,154.22 268.3,154.22 v1(269.22,155.14)
  Bottom Layer w0.2: SW1.1@84.44,231.54 84.44,228.79 85.05,228.18 86.54,228.18 87.01,227.71 87.01,214.73 SW16.1@89.18,212.56 89.18,195.88 SW31.1@91.56,193.5 89.74,191.68 89.74,177.84 ; SW45.1@86.14,173.84 86.14,163.41 v1(86.74,162.81) 86.74,155.56 SW59.1@86.82,155.48 ; SW45.1@86.77,174.78 89.74,177.75 ; 89.78,177.8 92.16,177.8 95.47,174.49 SW73.1@96.3,174.49 ; 244.18,161.4 v1(244.18,162.79) ; v1(244.18,158.68) 244.18,161.4 ; v1(269.22,155.14) 269.5,154.86 U1.26@270.98,154.86
S1: SW2.1 SW17.1 SW32.1 SW46.1 SW74.2 U1.27 | length 334.8
  Top Layer w0.2: v1(86.44,222.46) 86.69,222.21 114.47,222.21 v1(114.74,222.48) ; v1@86.54,180.4 v1@117.56,180.4 ; v1(103.94,234.34) 109.45,234.34 112.45,231.34 v1(114.22,231.34) ; v1(125.5,163.37) 125.5,163.31 125.51,163.3 140.68,163.3 141.15,163.77 150.48,163.77 151.07,164.36 166.081,164.36 166.751,163.69 226.191,163.69 226.851,163.03 243.3,163.03 243.29,163.04 v1(243.29,163.19) ; v1(243.22,158.71) 243.22,157.37 244.81,155.78 246.92,155.78 247.91,154.79 251.534,154.79 252.504,153.82 268.73,153.82 v1@269.22,154.31
  Bottom Layer w0.2: v1(86.44,222.46) 86.51,222.39 86.51,183.05 ; v1(86.52,180.42) 86.52,183.04 ; SW2.1@103.45,231.46 103.45,233.85 v1(103.94,234.34) ; SW17.1@112.94,212.47 112.94,218.43 114.74,220.23 v1(114.74,222.48) 114.74,227.723 114.16,228.303 114.16,231.28 v1(114.22,231.34) ; v1@117.61,180.34 117.89,180.06 119.68,180.06 SW74.2@120.84,178.9 ; v1@117.61,180.4 SW32.1@117.61,193.49 ; SW74.2@120.84,177.48 121.69,176.63 121.69,166.88 122.13,166.44 125.144,166.44 125.494,166.79 ; v1(125.5,163.37) 125.5,163.312 125.494,163.306 125.494,166.79 ; SW46.1@127.2,174.57 125.475,172.845 125.475,167.964 125.494,167.945 125.494,166.79 ; v1(243.22,158.71) 243.22,158.75 243.78,159.31 243.78,162.262 243.29,162.752 v1(243.29,163.19) ; v1(269.22,154.36) U1.27@270.98,154.36
  other v1: 117.56,180.4

## Text inside footprints (layer, text, board x,y; h text height)
LED57: Bottom Overlay "OUT" at 106.6,168.52 h0.71 r180; Bottom Overlay "VDD" at 106.59,166.69 h0.71 r180; Bottom Overlay "DIN" at 98.18,166.66 h0.71 r180; Bottom Overlay "GND" at 98.1,168.49 h0.71 r180
LED58: Bottom Overlay "OUT" at 242.23,147.15 h0.71; Bottom Overlay "VDD" at 242.24,148.98 h0.71; Bottom Overlay "DIN" at 250.65,149.01 h0.71; Bottom Overlay "GND" at 250.73,147.18 h0.71
LED59: Bottom Overlay "OUT" at 287.23,149.5 h0.71 r180; Bottom Overlay "VDD" at 287.22,147.67 h0.71 r180; Bottom Overlay "DIN" at 278.81,147.64 h0.71 r180; Bottom Overlay "GND" at 278.73,149.47 h0.71 r180
LED60: Bottom Overlay "OUT" at 310.95,149.52 h0.71 r180; Bottom Overlay "VDD" at 310.94,147.69 h0.71 r180; Bottom Overlay "DIN" at 302.53,147.66 h0.71 r180; Bottom Overlay "GND" at 302.45,149.49 h0.71 r180
LED61: Bottom Overlay "OUT" at 341.81,149.52 h0.71 r180; Bottom Overlay "VDD" at 341.8,147.69 h0.71 r180; Bottom Overlay "DIN" at 333.39,147.66 h0.71 r180; Bottom Overlay "GND" at 333.31,149.49 h0.71 r180
LED62: Bottom Overlay "OUT" at 360.74,149.48 h0.71 r180; Bottom Overlay "VDD" at 360.73,147.65 h0.71 r180; Bottom Overlay "DIN" at 352.32,147.62 h0.71 r180; Bottom Overlay "GND" at 352.24,149.45 h0.71 r180
LED63: Bottom Overlay "OUT" at 379.73,149.52 h0.71 r180; Bottom Overlay "VDD" at 379.72,147.69 h0.71 r180; Bottom Overlay "DIN" at 371.31,147.66 h0.71 r180; Bottom Overlay "GND" at 371.23,149.49 h0.71 r180
LED64: Bottom Overlay "OUT" at 90.38,147.11 h0.71; Bottom Overlay "VDD" at 90.39,148.94 h0.71; Bottom Overlay "DIN" at 98.8,148.97 h0.71; Bottom Overlay "GND" at 98.88,147.14 h0.71
LED65: Bottom Overlay "OUT" at 114.08,147.14 h0.71; Bottom Overlay "VDD" at 114.09,148.97 h0.71; Bottom Overlay "DIN" at 122.5,149 h0.71; Bottom Overlay "GND" at 122.58,147.17 h0.71
LED66: Bottom Overlay "OUT" at 137.65,147.09 h0.71; Bottom Overlay "VDD" at 137.66,148.92 h0.71; Bottom Overlay "DIN" at 146.07,148.95 h0.71; Bottom Overlay "GND" at 146.15,147.12 h0.71
LED68: Bottom Overlay "GND" at 345.44,206.44 h0.71 r180; Bottom Overlay "DIN" at 345.52,204.61 h0.71 r180; Bottom Overlay "VDD" at 353.93,204.64 h0.71 r180; Bottom Overlay "OUT" at 353.94,206.47 h0.71 r180
LED69: Bottom Overlay "GND" at 353.5,199.72 h0.71; Bottom Overlay "DIN" at 353.42,201.55 h0.71; Bottom Overlay "VDD" at 345.01,201.52 h0.71; Bottom Overlay "OUT" at 345,199.69 h0.71
LED70: Bottom Overlay "GND" at 88.54,168.53 h0.71 r180; Bottom Overlay "DIN" at 88.62,166.7 h0.71 r180; Bottom Overlay "VDD" at 97.03,166.73 h0.71 r180; Bottom Overlay "OUT" at 97.04,168.56 h0.71 r180
LED71: Bottom Overlay "GND" at 110,168.52 h0.71 r180; Bottom Overlay "DIN" at 110.08,166.69 h0.71 r180; Bottom Overlay "VDD" at 118.49,166.72 h0.71 r180; Bottom Overlay "OUT" at 118.5,168.55 h0.71 r180
LED72: Bottom Overlay "GND" at 234.26,148.91 h0.71 r270; Bottom Overlay "DIN" at 236.09,148.99 h0.71 r270; Bottom Overlay "VDD" at 236.06,157.4 h0.71 r270; Bottom Overlay "OUT" at 234.23,157.41 h0.71 r270
LED73: Bottom Overlay "GND" at 179.46,147.14 h0.71; Bottom Overlay "DIN" at 179.38,148.97 h0.71; Bottom Overlay "VDD" at 170.97,148.94 h0.71; Bottom Overlay "OUT" at 170.96,147.11 h0.71
LED76: Bottom Overlay "GND" at 371.28,168.38 h0.71 r180; Bottom Overlay "DIN" at 371.36,166.55 h0.71 r180; Bottom Overlay "VDD" at 379.77,166.58 h0.71 r180; Bottom Overlay "OUT" at 379.78,168.41 h0.71 r180